# Altium PCB LAY-94611_B.PcbDoc (part 5 of 16)
Units mil, origin at the board's own origin, x right, y up, seen from the top; angles counter-clockwise.
Board outline 4133.86 x 2559.05 mil, 10 copper layers (TOP, GND02, ART03, PWR04, PWR05, ART06, GND7, ART08, GND09, BOTTOM), stack 57.82 mil thick; 1104 components, 727 nets, 3774 pads, 1630 vias.
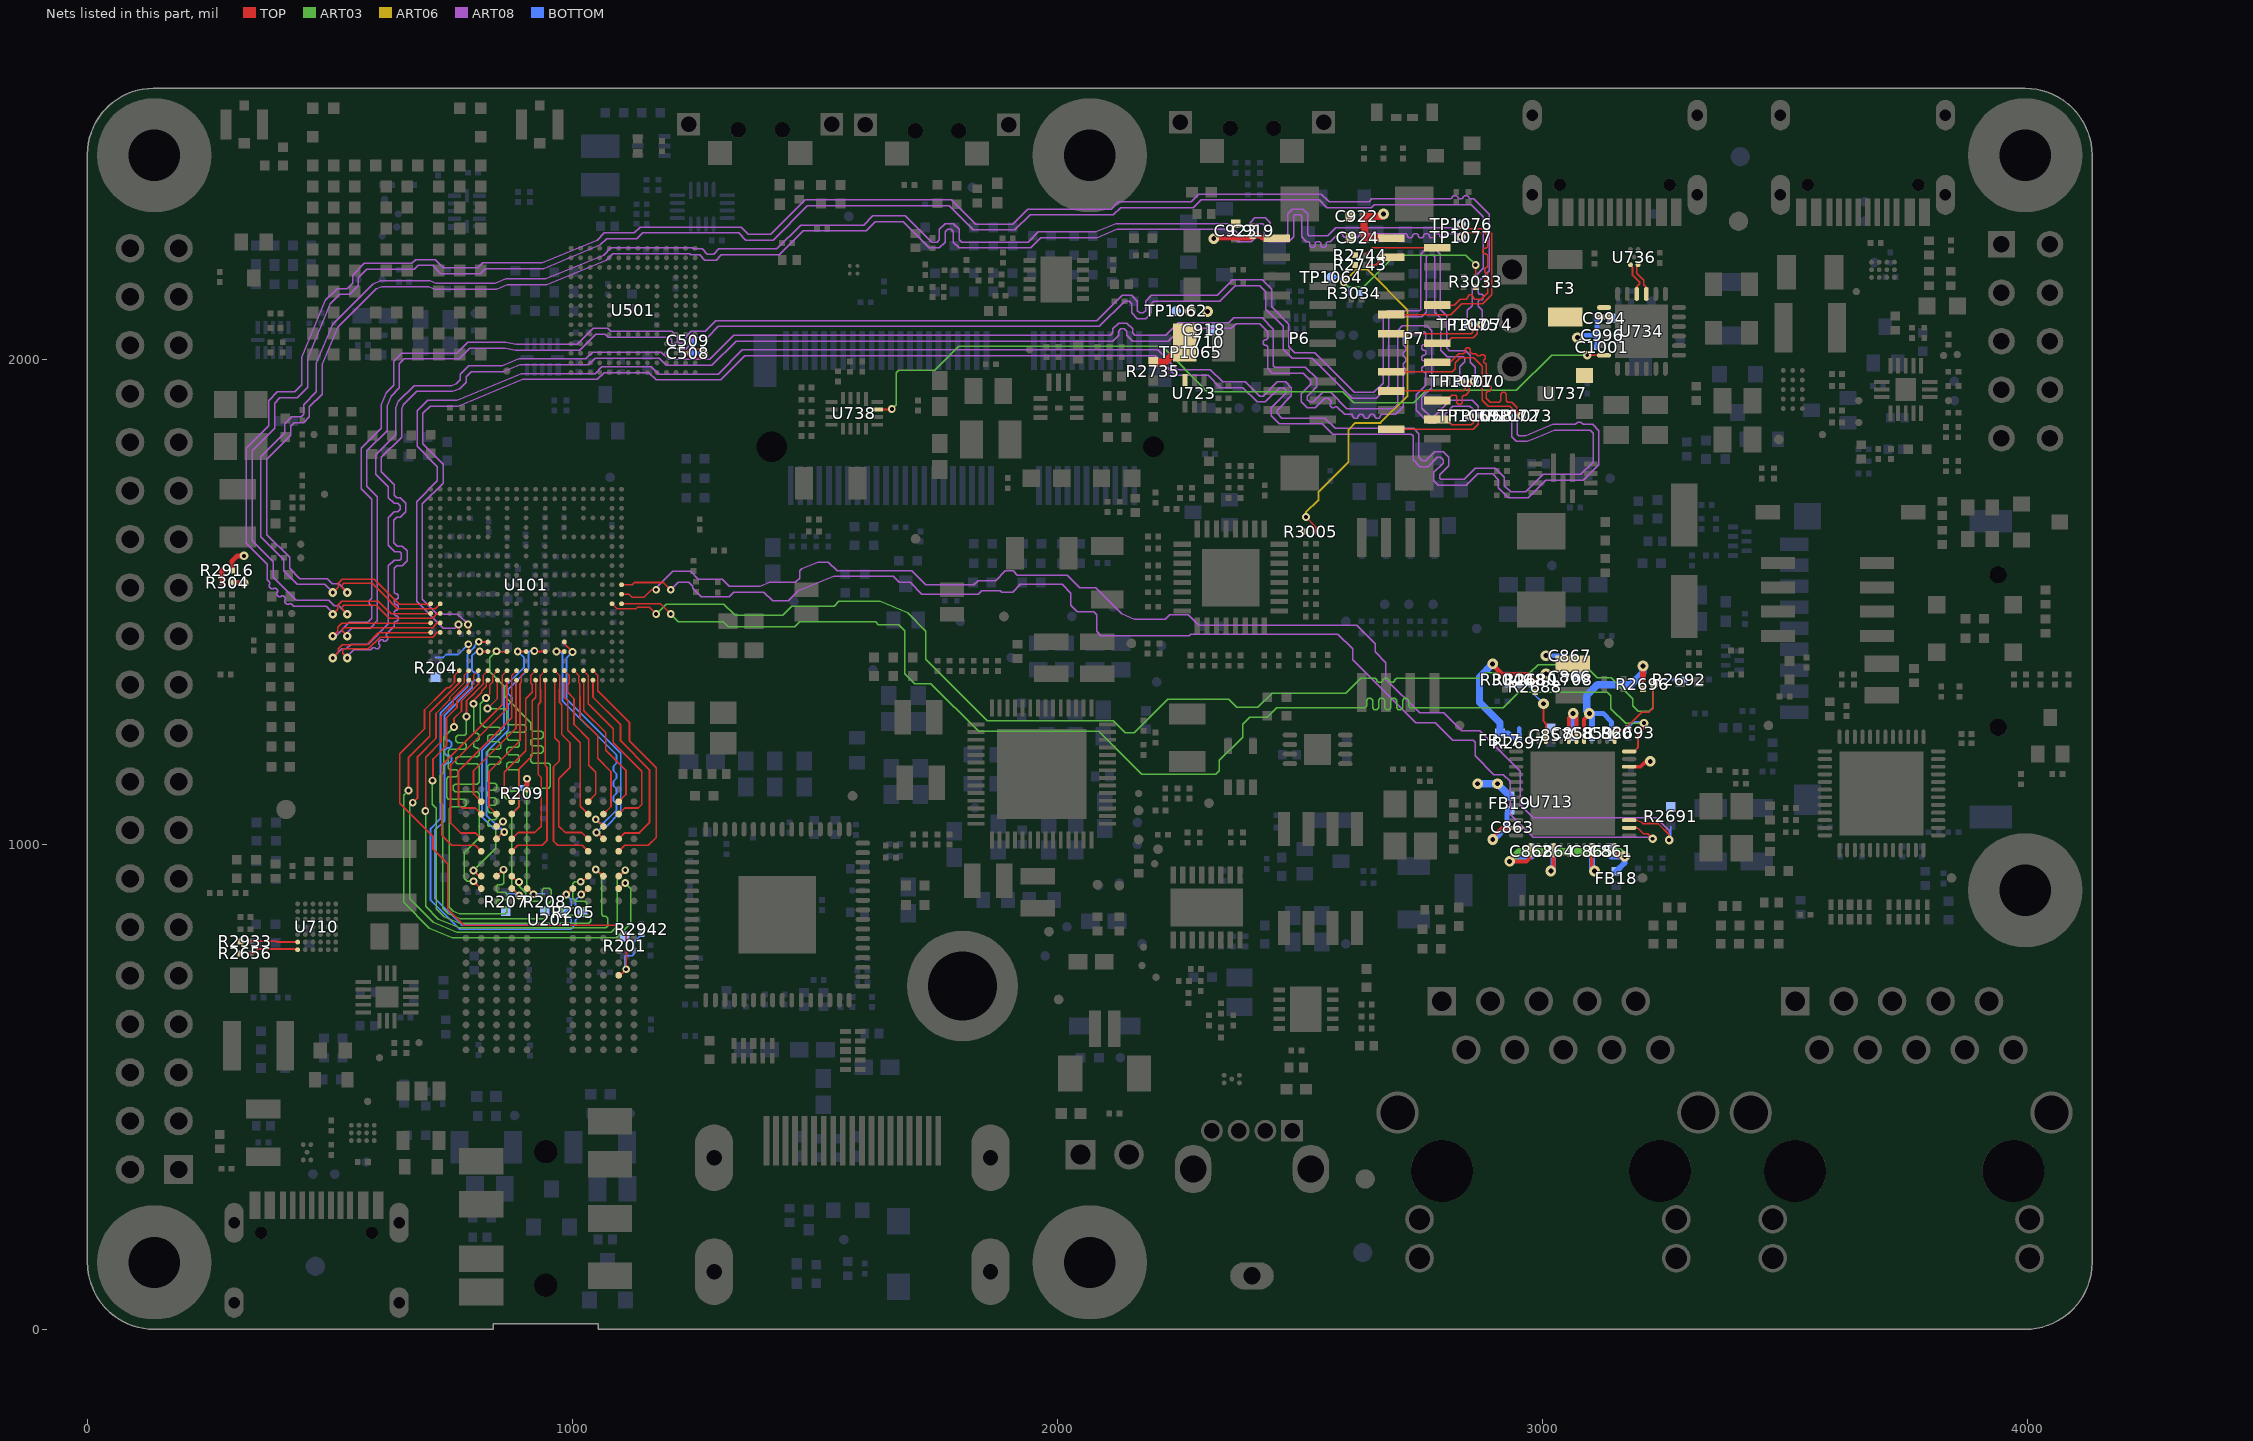
[diagram p13: the nets of this part, all layers, seen from the top]

## Via types
v1: diameter 16/16/0/0/0/0/16/0/16/16 (per signal layer), hole 8, TOP to BOTTOM, tented both sides, 177 vias
v2: diameter 22/22/0/0/0/0/22/0/22/22 (per signal layer), hole 10, TOP to BOTTOM, tented both sides, 156 vias
v3: diameter 16/0/16/0/0/0/0/0/0/16 (per signal layer), hole 8, TOP to BOTTOM, tented both sides, 137 vias
v4: diameter 16/0/0/0/0/16/0/0/0/16 (per signal layer), hole 8, TOP to BOTTOM, tented both sides, 94 vias
v5: diameter 16, hole 8, TOP to BOTTOM, tented both sides, 88 vias
v6: diameter 18/0/0/0/0/0/0/18/0/18 (per signal layer), hole 8, TOP to BOTTOM, tented both sides, 84 vias
v7: diameter 22, hole 10, TOP to BOTTOM, tented both sides, 83 vias
v8: diameter 18, hole 8.1, TOP to BOTTOM, tented both sides, 78 vias
v9: diameter 16/0/0/0/0/0/0/16/0/16 (per signal layer), hole 8, TOP to BOTTOM, tented both sides, 77 vias
v10: diameter 18/18/0/0/0/0/18/0/18/18 (per signal layer), hole 8, TOP to BOTTOM, tented both sides, 62 vias
v11: diameter 18/0/18/0/0/0/0/0/0/18 (per signal layer), hole 8, TOP to BOTTOM, tented both sides, 50 vias
v12: diameter 16/0/0/16/0/0/0/0/0/16 (per signal layer), hole 8, TOP to BOTTOM, tented both sides, 49 vias
v13: diameter 22/0/0/0/22/0/0/0/0/22 (per signal layer), hole 10, TOP to BOTTOM, tented both sides, 49 vias
v14: diameter 22/0/22/0/0/0/0/0/0/22 (per signal layer), hole 10, TOP to BOTTOM, tented both sides, 48 vias
v15: diameter 18, hole 8, TOP to BOTTOM, tented both sides, 47 vias
v16: diameter 16/0/0/0/16/0/0/0/0/16 (per signal layer), hole 8, TOP to BOTTOM, tented both sides, 40 vias
v17: diameter 22/0/0/22/0/0/0/0/0/22 (per signal layer), hole 10, TOP to BOTTOM, tented both sides, 40 vias
v18: diameter 22/0/0/0/0/0/0/22/0/22 (per signal layer), hole 10, TOP to BOTTOM, tented both sides, 31 vias
v19: diameter 22/0/0/0/0/22/0/0/0/22 (per signal layer), hole 10, TOP to BOTTOM, tented both sides, 30 vias
v20: diameter 18/0/0/0/0/18/0/0/0/18 (per signal layer), hole 8, TOP to BOTTOM, tented both sides, 27 vias
v21: diameter 16/16/16/0/0/0/0/0/0/16 (per signal layer), hole 8, TOP to BOTTOM, tented both sides, 24 vias
v22: diameter 16/0/16/0/0/16/0/0/0/16 (per signal layer), hole 8, TOP to BOTTOM, tented both sides, 14 vias
v23: diameter 22/22/0/22/0/0/22/0/22/22 (per signal layer), hole 10, TOP to BOTTOM, tented both sides, 14 vias
v24: diameter 16/16/16/0/0/0/16/0/16/16 (per signal layer), hole 8, TOP to BOTTOM, tented both sides, 11 vias
v25: diameter 18/0/0/0/0/18/0/18/0/18 (per signal layer), hole 8, TOP to BOTTOM, tented both sides, 11 vias
v26: diameter 18/0/0/18/0/0/0/0/0/18 (per signal layer), hole 8, TOP to BOTTOM, tented both sides, 11 vias
v27: diameter 18/0/0/0/18/0/0/0/0/18 (per signal layer), hole 8, TOP to BOTTOM, tented both sides, 10 vias
v28: diameter 16/0/16/0/0/0/0/16/0/16 (per signal layer), hole 8, TOP to BOTTOM, tented both sides, 8 vias
v29: diameter 16/16/0/16/0/0/16/0/16/16 (per signal layer), hole 8, TOP to BOTTOM, tented both sides, 8 vias
v30: diameter 18/18/0/18/0/0/18/0/18/18 (per signal layer), hole 8, TOP to BOTTOM, tented both sides, 6 vias
v31: diameter 22/0/0/0/22/22/0/0/0/22 (per signal layer), hole 10, TOP to BOTTOM, tented both sides, 6 vias
v32: diameter 16/0/16/16/0/0/0/0/0/16 (per signal layer), hole 8, TOP to BOTTOM, tented both sides, 5 vias
v33: diameter 18/18/0/18/18/0/18/0/18/18 (per signal layer), hole 8, TOP to BOTTOM, tented both sides, 5 vias
v34: diameter 16/0/0/0/0/16/0/16/0/16 (per signal layer), hole 8, TOP to BOTTOM, tented both sides, 4 vias
v35: diameter 22/0/22/22/0/0/0/0/0/22 (per signal layer), hole 10, TOP to BOTTOM, tented both sides, 4 vias
v36: diameter 16/0/16/16/0/16/0/0/0/16 (per signal layer), hole 8, TOP to BOTTOM, tented both sides, 3 vias
v37: diameter 22/22/0/0/22/0/22/0/22/22 (per signal layer), hole 10, TOP to BOTTOM, tented both sides, 3 vias
v38: diameter 22/0/0/22/22/22/0/0/0/22 (per signal layer), hole 10, TOP to BOTTOM, tented both sides, 3 vias
v39: diameter 22/0/22/0/0/22/0/0/0/22 (per signal layer), hole 10, TOP to BOTTOM, tented both sides, 3 vias
v40: diameter 22/0/22/0/0/0/0/22/0/22 (per signal layer), hole 10, TOP to BOTTOM, tented both sides, 3 vias
v41: diameter 16/0/16/0/16/0/0/0/0/16 (per signal layer), hole 8, TOP to BOTTOM, tented both sides, 3 vias
v42: diameter 22/22/0/22/22/0/22/0/22/22 (per signal layer), hole 10, TOP to BOTTOM, tented both sides, 2 vias
v43: diameter 18/0/18/0/0/0/0/18/0/18 (per signal layer), hole 8, TOP to BOTTOM, tented both sides, 2 vias
v44: diameter 22/0/0/22/0/22/0/0/0/22 (per signal layer), hole 10, TOP to BOTTOM, tented both sides, 2 vias
v45: diameter 22/0/0/0/0/22/0/22/0/22 (per signal layer), hole 10, TOP to BOTTOM, tented both sides, 2 vias
v46: diameter 22/0/22/0/22/0/0/0/0/22 (per signal layer), hole 10, TOP to BOTTOM, tented both sides, 2 vias
v47: diameter 22/0/0/22/22/0/0/0/0/22 (per signal layer), hole 10, TOP to BOTTOM, tented both sides, 2 vias
v48: diameter 16/0/0/16/0/16/0/0/0/16 (per signal layer), hole 8, TOP to BOTTOM, tented both sides, 1 vias
v49: diameter 18/0/18/0/0/18/0/0/0/18 (per signal layer), hole 8, TOP to BOTTOM, tented both sides, 1 vias
v50: diameter 18/18/0/0/18/0/18/0/18/18 (per signal layer), hole 8, TOP to BOTTOM, tented both sides, 1 vias
v51: diameter 16/16/0/16/16/0/16/0/16/16 (per signal layer), hole 8, TOP to BOTTOM, tented both sides, 1 vias
v52: diameter 18/0/18/0/18/0/0/0/0/18 (per signal layer), hole 8, TOP to BOTTOM, tented both sides, 1 vias
v53: diameter 18/0/0/0/18/18/0/0/0/18 (per signal layer), hole 8, TOP to BOTTOM, tented both sides, 1 vias
v54: diameter 22/0/22/0/22/22/0/22/0/22 (per signal layer), hole 10, TOP to BOTTOM, tented both sides, 1 vias
v55: diameter 22/0/0/0/22/22/0/22/0/22 (per signal layer), hole 10, TOP to BOTTOM, tented both sides, 1 vias
v56: diameter 16/16/16/0/0/0/16/0/0/16 (per signal layer), hole 8, TOP to BOTTOM, tented both sides, 1 vias
v57: diameter 22/0/0/22/0/0/0/22/0/22 (per signal layer), hole 10, TOP to BOTTOM, tented both sides, 1 vias
v58: diameter 16/0/0/0/16/16/0/0/0/16 (per signal layer), hole 8, TOP to BOTTOM, tented both sides, 1 vias
v59: diameter 16/0/0/16/16/0/0/0/0/16 (per signal layer), hole 8, TOP to BOTTOM, tented both sides, 1 vias

## Nets (pads, with @x,y where several pads share a name; then routed paths per layer and width w, separated by ;. In a path a pad name is that pad's centre, name@x,y a point inside that pad or via, vN(x,y) a via of type N, cw(c..) or ccw(c..) an arc to the next point about the centre after c; other vN are vias at no path point) (continued)
DEB_UART2_TX: U734.12 U738.15 | length 1680.3
  TOP w3.62: U738.15@1628.98,1896.81 1657.61,1896.81 v3(1658.8,1898) ; v11(3092.8,2008.79) U734.12@3127.54,2008.79
  ART03 w3.09: v3(1658.8,1898) 1667.8,1907 1667.8,1973 1672.8,1978 1747.8,1978 1796.8,2027 2216.01,2027 2309.71,1933.3 2588.5,1933.3 2611.5,1910.3 2735.1,1910.3 2760.8,1936 2946.8,1936 3019.59,2008.79 v11(3092.8,2008.79)
DEBUG_5V: C994.1 C996.1 C1001.1 F3.2 U734.7 U734.8 U737.2 | length 102.3
  BOTTOM w10: v7(3072.8,2045) 3077.8,2050 C996.1@3113.04,2050 ; C1001.1@3113.04,2025 C996.1@3113.04,2050 ; 3113.04,2085 C996.1@3113.04,2050
DEBUG_DN: U734.4 U736.C1 | length 70.2
  TOP w3.49: U736.C1@3181.93,2195.25 3186,2191.18 3186,2174.35 3200.8,2159.55 3200.8,2156 3194.96,2150.16 U734.4@3194.96,2135.26
DEBUG_DP: U734.3 U736.C2 | length 69.4
  TOP w3.49: U736.C2@3197.67,2195.25 3194.8,2192.38 3194.8,2178 3209.6,2163.2 3209.6,2154.2 3214.64,2149.16 U734.3@3214.64,2135.26
DRAM_CA0_A: U101.H2 U201.H2 | length 704.4
  TOP w3.2: 829.72,1326 829.72,1328.71 835.72,1334.71 835.72,1348.5 U101.H2@845.54,1358.32
  TOP w3.62: v3(796.29,946.27) 807.99,934.57 U201.H2@812.07,934.57 ; v3(821.75,1302.08) 829.72,1310.05 829.72,1326
  ART03 w3.09: v3(796.29,946.27) 842.42,992.4 842.42,1033.45 838.62,1037.25 827.96,1037.25 825.63,1039.58 825.63,1046.72 829.43,1050.52 839.84,1050.52 843.64,1054.32 843.64,1061.92 839.84,1065.72 829.43,1065.72 825.63,1069.52 825.63,1077.12 829.43,1080.92 839.84,1080.92 843.64,1084.72 843.64,1092.32 839.84,1096.12 829.43,1096.12 825.63,1099.92 825.63,1107.52 829.43,1111.32 839.84,1111.32 843.64,1115.12 843.64,1122.72 839.84,1126.52 829.43,1126.52 825.63,1130.32 825.63,1161.73 829.43,1165.53 848.07,1165.53 851.87,1169.33 851.87,1176.93 848.07,1180.73 829.43,1180.73 825.63,1184.53 825.63,1192.13 829.43,1195.93 848.07,1195.93 851.87,1199.73 851.87,1207.33 848.07,1211.13 829.43,1211.13 825.63,1214.93 825.63,1222.53 829.43,1226.33 848.07,1226.33 851.87,1230.13 851.87,1237.73 848.07,1241.53 819.27,1241.53 809.8,1251 809.8,1290.13 v3(821.75,1302.08)
DRAM_CA1_A: U101.G1 U201.J2 | length 682
  TOP w3.2: 806.68,1307.31 813.08,1313.71 813.08,1316.66 822.32,1325.9 822.32,1335.1 U101.G1@825.86,1338.64
  TOP w3.62: v3(796.22,1290.06) 796.22,1296.85 806.68,1307.31 ; v3(796.34,923.91) 811.27,908.98 U201.J2@812.07,908.98
  ART03 w3.09: v3(796.22,1290.06) 796.22,1233.57 800.48,1229.31 803.8,1229.31 807.6,1225.51 807.6,1217.91 803.8,1214.11 800.4,1214.11 796.6,1210.31 796.6,1202.71 800.4,1198.91 803.8,1198.91 807.6,1195.11 807.6,1184.99 803.8,1181.19 763.2,1181.19 759.3,1177.29 759.3,1169.79 763.1,1165.99 803.8,1165.99 807.6,1162.19 807.6,1128.01 803.8,1124.21 758.4,1124.21 754.6,1120.41 754.6,1112.81 758.4,1109.01 803.8,1109.01 808.23,1104.58 808.23,1013.81 777.27,982.85 777.27,929.98 783.34,923.91 v3(796.34,923.91)
DRAM_CA2_A: U101.F2 U201.H9 | length 1100.5
  TOP w3.2: 761.93,1296.34 796.36,1330.77 796.36,1348.51 U101.F2@806.17,1358.32
  TOP w3.62: v3(711.51,1131.34) 711.51,1136.55 712.62,1137.66 712.62,1175.82 740.27,1203.47 740.27,1260.69 761.93,1282.35 761.93,1296.34 ; v3(1017.13,922.87) 1020.84,922.87 U201.H9@1032.54,934.57
  ART03 w3.09: v3(711.51,1131.34) 711.51,1082.3 719.21,1074.6 719.21,867.11 735.62,850.7 766.79,837.79 1033.8,837.79 1037.6,841.59 1037.6,849.92 1033.8,853.72 983.4,853.72 979.6,857.52 979.6,865.12 983.4,868.92 1025.8,868.92 1029.6,872.72 1029.6,879.39 1025.99,883 1006.8,883 1001.05,888.75 1001.05,919.07 1004.85,922.87 v3(1017.13,922.87)
DRAM_CA3_A: U101.E1 U201.H10 | length 1045.9
  TOP w3.62: v3(696.8,1069) 697.42,1069.62 697.42,1179.61 729.06,1211.25 729.06,1264.62 754.29,1289.85 754.29,1300.38 786.49,1332.58 U101.E1@786.49,1338.64 ; v3(1048.11,948.12) 1050.49,948.12 U201.H10@1064.04,934.57
  ART03 w3.09: v3(696.8,1069) 697.42,1068.38 697.42,872.51 723.83,846.1 768.11,827.76 1068.8,827.76 1072.6,831.56 1072.6,847.85 1068.8,851.65 1064.09,851.65 1060.29,855.45 1060.29,935.94 v3(1048.11,948.12)
DRAM_CA4_A: U101.E2 U201.H11 | length 1118.8
  TOP w3.2: 746.69,1297.93 746.69,1302.97 776.64,1332.92 776.64,1348.47 U101.E2@786.49,1358.32
  TOP w3.62: v3(670.8,1086) 680.8,1096 680.8,1181 718.66,1218.86 718.66,1269.9 746.69,1297.93 ; U201.H11@1095.53,934.57 1107.81,946.85 v3(1109.09,946.85)
  ART03 w3.09: v3(670.8,1086) 664.86,1080.06 664.86,887.62 713.35,839.13 761.77,819.07 1080.03,819.07 1092.3,831.34 1092.3,930.06 v3(1109.09,946.85)
DRAM_CA5_A: U101.D1 U201.J11 | length 1118
  TOP w3.62: v3(661.8,1111) 661.8,1178.49 706.09,1222.78 706.09,1272.76 766.8,1333.47 U101.D1@766.8,1338.64 ; U201.J11@1095.53,908.98 1106.7,920.15 v3(1109.08,920.15)
  ART03 w3.09: v3(661.8,1111) 651.8,1101 651.8,880.57 704.87,827.5 752.67,807.7 1090.5,807.7 1120.39,837.59 1120.39,908.84 v3(1109.08,920.15)
DRAM_CK_C_A: R205.2 U101.G5 U201.J9 | length 1019
  TOP w3.88: v5(806.84,1417.94) 807.4,1417.38 U101.G5@825.86,1417.38 ; v5(1018.13,896.63) 1020.19,896.63 U201.J9@1032.54,908.98
  BOTTOM w3.88: v5(806.84,1417.94) 798,1409.1 798,1406.16 784,1392.16 784,1326.2 727.8,1270 727.8,1052.44 707.8,1032.44 707.8,885 767.8,825 996.4,825 1006.4,835 1006.4,843.6 1021,858.2 R205.2@1021,859.96 1006.4,874.56 1006.4,885 1018.03,896.63 v5(1018.13,896.63)
DRAM_CK_T_A: R205.1 U101.G4 U201.J8 | length 1020
  TOP w3.88: v5(808.88,1397.59) 808.98,1397.69 U101.G4@825.86,1397.69 ; v5(987.27,896.49) 988.55,896.49 U201.J8@1001.04,908.98
  BOTTOM w3.88: v5(808.88,1397.59) 801.88,1397.59 792.8,1388.51 792.8,1358.6 797.35,1354.05 802.25,1354.05 806.8,1349.5 806.8,1343.08 802.25,1338.53 797.35,1338.53 792.8,1333.98 792.8,1322.55 736.6,1266.35 736.6,1218.61 741.15,1214.06 746.25,1214.06 750.8,1209.51 750.8,1203.09 746.25,1198.54 741.15,1198.54 736.6,1193.99 736.6,1187.57 741.15,1183.02 746.25,1183.02 750.8,1178.47 750.8,1172.05 746.25,1167.5 741.15,1167.5 736.6,1162.95 736.6,1048.79 716.6,1028.79 716.6,888.65 771.45,833.8 992.75,833.8 997.6,838.65 997.6,845.36 R205.1@983,859.96 997.6,874.56 997.6,886.16 v5(987.27,896.49)
DRAM_CKE0_A: R207.2 U101.H1 U201.J4 | length 783.7
  TOP w3.2: v3(824.8,1280) 845.54,1300.74 U101.H1@845.54,1338.64
  TOP w3.62: U201.J4@875.06,908.98 875.98,908.98 v3(890.51,894.45)
  ART03 w3.09: v3(824.8,1280) 861.08,1280 865.06,1276.02 865.06,1250.61 868.86,1246.81 900.8,1246.81 904.6,1243.01 904.6,1235.41 900.8,1231.61 868.86,1231.61 865.06,1227.81 865.06,1218.95 868.86,1215.15 886.89,1215.15 890.69,1211.35 890.69,1203.75 886.89,1199.95 868.86,1199.95 865.06,1196.15 865.06,1188.55 868.86,1184.75 886.89,1184.75 890.69,1180.95 890.69,1173.35 886.89,1169.55 868.86,1169.55 865.06,1165.75 865.06,1158.15 868.86,1154.35 886.89,1154.35 890.69,1150.55 890.69,1113.58 886.89,1109.78 863.43,1109.78 859.63,1105.98 859.63,1098.38 863.43,1094.58 886.89,1094.58 890.69,1090.78 890.69,1079.01 874.92,1063.24 874.92,910.04 v3(890.51,894.45)
  BOTTOM w3.62: 862.84,898.2 886.76,898.2 v3(890.51,894.45)
DRAM_CKE1_A: R208.2 U101.J4 U201.J5 | length 773.3
  TOP w3.2: v3(843.32,1398.27) 843.9,1397.69 U101.J4@865.23,1397.69
  TOP w3.62: U201.J5@906.56,908.98 907.84,908.98 v3(919.69,897.13)
  ART03 w3.09: v3(843.32,1398.27) 829.98,1384.93 829.98,1355.84 860.58,1325.24 860.58,1305.03 914.6,1251.01 914.6,1237.33 918.4,1233.53 935.8,1233.53 939.6,1229.73 939.6,1222.13 935.8,1218.33 918.4,1218.33 914.6,1214.53 914.6,1206.93 918.4,1203.13 935.8,1203.13 939.6,1199.33 939.6,1191.73 935.8,1187.93 918.4,1187.93 914.6,1184.13 914.6,1171.36 918.4,1167.56 950.8,1167.56 954.6,1163.76 954.6,1119.45 950.8,1115.65 909.64,1115.65 905.84,1111.85 905.84,910.98 v3(919.69,897.13)
  BOTTOM w3.62: v3(919.69,897.13) 920.76,898.2 942.84,898.2
DRAM_DATA0_A: U101.N1 U201.F4 | length 414
  TOP w3.62: U201.F4@875.06,985.75 887.41,998.1 937.94,998.1 947.53,1007.69 947.53,1159.14 943.97,1162.7 U101.N1@943.97,1338.64
DRAM_DATA1_A: U101.N2 U201.E4 | length 400.7
  TOP w3.2: 934.12,1319.52 934.12,1348.48 U101.N2@943.97,1358.32
  TOP w3.62: U201.E4@875.06,1011.34 888.22,1024.5 922.56,1024.5 935.83,1037.77 935.83,1137.96 929.7,1144.09 929.7,1288.27 934.12,1292.69 934.12,1319.52
DRAM_DATA2_A: U101.M1 U201.C4 | length 296.5
  TOP w3.62: U201.C4@875.06,1062.52 890.35,1077.81 890.35,1155.56 917.2,1182.41 917.2,1296.45 924.29,1303.54 U101.M1@924.28,1338.64
DRAM_DATA3_A: U101.M2 U201.B4 | length 305.9
  TOP w3.2: 904.03,1300.3 917.2,1313.47 917.2,1329.35 914.44,1332.11 914.44,1348.6 924.16,1358.32 U101.M2@924.28,1358.32
  TOP w3.62: U201.B4@875.06,1088.11 859.4,1103.77 859.4,1148.55 904.03,1193.18 904.03,1300.3
DRAM_DATA4_A: U101.K1 U201.B2 | length 294
  TOP w3.2: 883.74,1239.12 883.74,1337.47 U101.K1@884.91,1338.64
  TOP w3.62: U201.B2@812.07,1088.11 796.07,1104.11 796.07,1151.45 883.74,1239.12
DRAM_DATA5_A: U101.K2 U201.C2 | length 381
  TOP w3.2: 875.06,1331.04 875.06,1348.47 U101.K2@884.91,1358.32
  TOP w3.62: U201.C2@812.07,1062.52 799.59,1075 771.68,1075 765.39,1081.29 765.39,1151.45 875.06,1261.12 875.06,1331.04
DRAM_DATA6_A: U101.J1 U201.E2 | length 419.6
  TOP w3.62: U201.E2@812.07,1011.34 799.72,1023.69 769.41,1023.69 748.71,1044.39 748.71,1163.54 865.23,1280.06 U101.J1@865.23,1338.64
DRAM_DATA7_A: U101.J2 U201.F2 | length 490.6
  TOP w3.2: 855.38,1329.47 855.38,1348.47 U101.J2@865.23,1358.32
  TOP w3.62: U201.F2@812.07,985.75 799.7,998.12 750.96,998.12 730.6,1018.48 730.6,1162.8 855.38,1287.58 855.38,1329.47
DRAM_DATA8_A: U101.V1 U201.E11 | length 419.6
  TOP w3.62: U101.V1@1042.39,1338.64 1042.39,1303.98 1099.39,1246.98 1099.39,1213.41 1158.92,1153.88 1158.92,1044.39 1138.22,1023.69 1107.88,1023.69 U201.E11@1095.53,1011.34
DRAM_DATA9_A: U101.V2 U201.F11 | length 487.2
  TOP w3.2: U101.V2@1042.39,1358.32 1052.25,1348.46 1052.25,1329.47
  TOP w3.62: 1052.25,1329.47 1052.25,1316.55 1117.93,1250.87 1117.93,1212.88 1172.8,1158.01 1172.8,1014.25 1156.67,998.12 1107.9,998.12 U201.F11@1095.53,985.75
DRAM_DATA10_A: U101.U2 U201.C11 | length 381.8
  TOP w3.2: U101.U2@1022.71,1358.32 1032.57,1348.46 1032.57,1331.04
  TOP w3.62: 1032.57,1331.04 1032.57,1289.96 1084.24,1238.29 1084.24,1209.45 1143.19,1150.5 1143.19,1082.24 1135.95,1075 1108.01,1075 U201.C11@1095.53,1062.52
DRAM_DATA11_A: U101.U1 U201.B11 | length 293
  TOP w3.2: U101.U1@1022.71,1338.64 1023.83,1337.52 1023.83,1275.64
  TOP w3.62: 1023.83,1275.64 1068.75,1230.72 1068.75,1194.26 1110.33,1152.68 1110.33,1102.91 U201.B11@1095.53,1088.11
DRAM_DATA12_A: U101.R1 U201.C9 | length 296.5
  TOP w3.2: 983.34,1303.54 U101.R1@983.34,1338.64
  TOP w3.62: 983.34,1303.54 990.43,1296.45 990.43,1235.45 1016.39,1209.49 1016.39,1078.67 U201.C9@1032.54,1062.52
DRAM_DATA13_A: U101.R2 U201.B9 | length 305.9
  TOP w3.2: U101.R2@983.34,1358.32 983.47,1358.32 993.19,1348.6 993.19,1332.11 990.43,1329.35 990.43,1313.47 1003.6,1300.3
  TOP w3.62: 1003.6,1300.3 1003.6,1247.22 1033.71,1217.11 1033.71,1163.07 1048.23,1148.55 1048.23,1103.8 U201.B9@1032.54,1088.11
DRAM_DATA14_A: U101.P2 U201.E9 | length 415.1
  TOP w3.2: U101.P2@963.65,1358.32 973.49,1348.48 973.51,1319.52
  TOP w3.62: 973.51,1319.52 973.51,1292.69 977.93,1288.27 977.93,1226.48 995.31,1209.1 995.31,1159.17 971.8,1135.66 971.8,1037.77 985.07,1024.5 1019.38,1024.5 U201.E9@1032.54,1011.34
DRAM_DATA15_A: U101.P1 U201.F9 | length 420.9
  TOP w3.62: U101.P1@963.66,1338.63 963.66,1219.55 972.93,1210.28 972.93,1171.98 960.97,1160.02 960.97,1006.82 969.69,998.1 1020.19,998.1 U201.F9@1032.54,985.75
DRAM_DMI0_A: U101.L2 U201.C3 | length 334
  TOP w3.2: 891.97,1304.44 891.97,1331.48 894.75,1334.26 894.75,1348.47 U101.L2@904.6,1358.32
  TOP w3.62: U201.C3@843.56,1062.52 828.01,1078.07 828.01,1150 891.97,1213.96 891.97,1304.44
DRAM_DMI1_A: U101.T2 U201.C10 | length 334.1
  TOP w3.2: U101.T2@1003.02,1358.32 1003.16,1358.32 1012.88,1348.6 1012.88,1334.26 1015.66,1331.48 1015.66,1304.44
  TOP w3.62: 1015.66,1304.44 1015.66,1260.16 1052.18,1223.64 1052.18,1177.44 1079.62,1150 1079.62,1078.1 U201.C10@1064.04,1062.52
DRAM_NCS0_A: U101.F1 U201.H4 | length 923.3
  TOP w3.62: v3(755.96,1242.21) 755.96,1259.71 771.34,1275.09 771.34,1295.84 806.17,1330.67 U101.F1@806.17,1338.64 ; U201.H4@875.06,934.57 887.25,922.38 v3(889.96,922.38)
  ART03 w3.09: v3(755.96,1242.21) 734.8,1221.05 734.8,1149.09 727.71,1142 727.71,1087.08 732.51,1082.28 732.51,868.67 743.78,857.4 768.62,847.11 941.62,847.11 944.82,850.31 944.82,872.09 956.36,883.63 956.36,905.33 952.56,909.13 941.22,909.13 937.42,905.33 937.42,888.01 932.17,882.76 906.97,882.76 903.76,885.97 903.76,900.15 889.96,913.95 v3(889.96,922.38)
DRAM_NCS1_A: U101.G2 U201.H3 | length 975
  TOP w3.2: 798.39,1312.6 815.92,1330.13 815.92,1348.38 U101.G2@825.86,1358.32
  TOP w3.62: v3(781.45,1263.54) 781.45,1295.66 798.39,1312.6 ; U201.H3@843.56,934.57 856.86,947.87 v3(858.05,947.87)
  ART03 w3.09: v3(781.45,1263.54) 781.45,1228.47 777.65,1224.67 763.4,1224.67 759.6,1220.87 759.6,1213.27 763.4,1209.47 777.65,1209.47 781.45,1205.67 781.45,1199.45 777.65,1195.65 747.2,1195.65 743.8,1192.25 743.8,1157.74 747.2,1154.34 760.8,1154.34 764.6,1150.54 764.6,1142.94 760.8,1139.14 744.4,1139.14 740.6,1135.34 740.6,1096.96 744.4,1093.16 777.5,1093.16 781.3,1089.36 781.3,1081.76 777.5,1077.96 750.64,1077.96 746.14,1073.46 746.14,1004.44 746.49,1004.09 746.49,869.87 754.08,862.28 766.8,857.01 861.33,857.01 865.25,860.93 865.25,867.04 861.45,870.84 846.4,870.84 842.6,874.64 842.6,882.24 846.4,886.04 861.45,886.04 865.25,889.84 865.25,897.44 861.45,901.24 846.4,901.24 842.6,905.04 842.6,912.64 846.4,916.44 854.25,916.44 858.05,920.24 v3(858.05,947.87)
DRAM_NRESET: R201.1 R2942.1 U101.D2 U201.T11 | length 1163.8
  TOP w3.2: 733.8,1315.81 740.93,1322.94 745.89,1322.94 756.95,1334 756.95,1348.47 U101.D2@766.8,1358.32
  TOP w3.62: 733.8,1315.81 695.03,1277.04 695.03,1238.23 643.8,1187 643.8,1084.99 712.8,1015.99 712.8,990 742.8,960 742.8,865.99 775.79,833 1088.21,833 1110.87,810.34 v5(1110.87,742.36) 1098.35,729.84 U201.T11@1095.53,729.84
  BOTTOM w3.62: v5(1110.87,742.36) 1107.84,745.39 1107.84,770.2 1123.4,770.2 1127.8,774.6 1127.8,799.49 R2942.1@1142.8,814.49
DRAM_SDQS0_C_A: U101.L4 U201.E3 | length 479.6
  TOP w3.88: U201.E3@843.56,1011.34 857.81,1025.59 v5(859.43,1025.59) ; v5(887.44,1397.7) U101.L4@904.6,1397.69
  BOTTOM w3.88: v5(859.43,1025.59) 852.63,1032.39 837.97,1032.39 814,1056.36 814,1193.65 859,1238.65 859,1323.65 900.44,1365.09 900.44,1384.7 v5(887.44,1397.7)
DRAM_SDQS0_T_A: U101.N4 U201.D3 | length 475.8